# Allegro board RK3588S_Template_LP5D315P232SD10H2_42x42_2750MHz_1R2_V10_20220413YWQ.brd (continued)
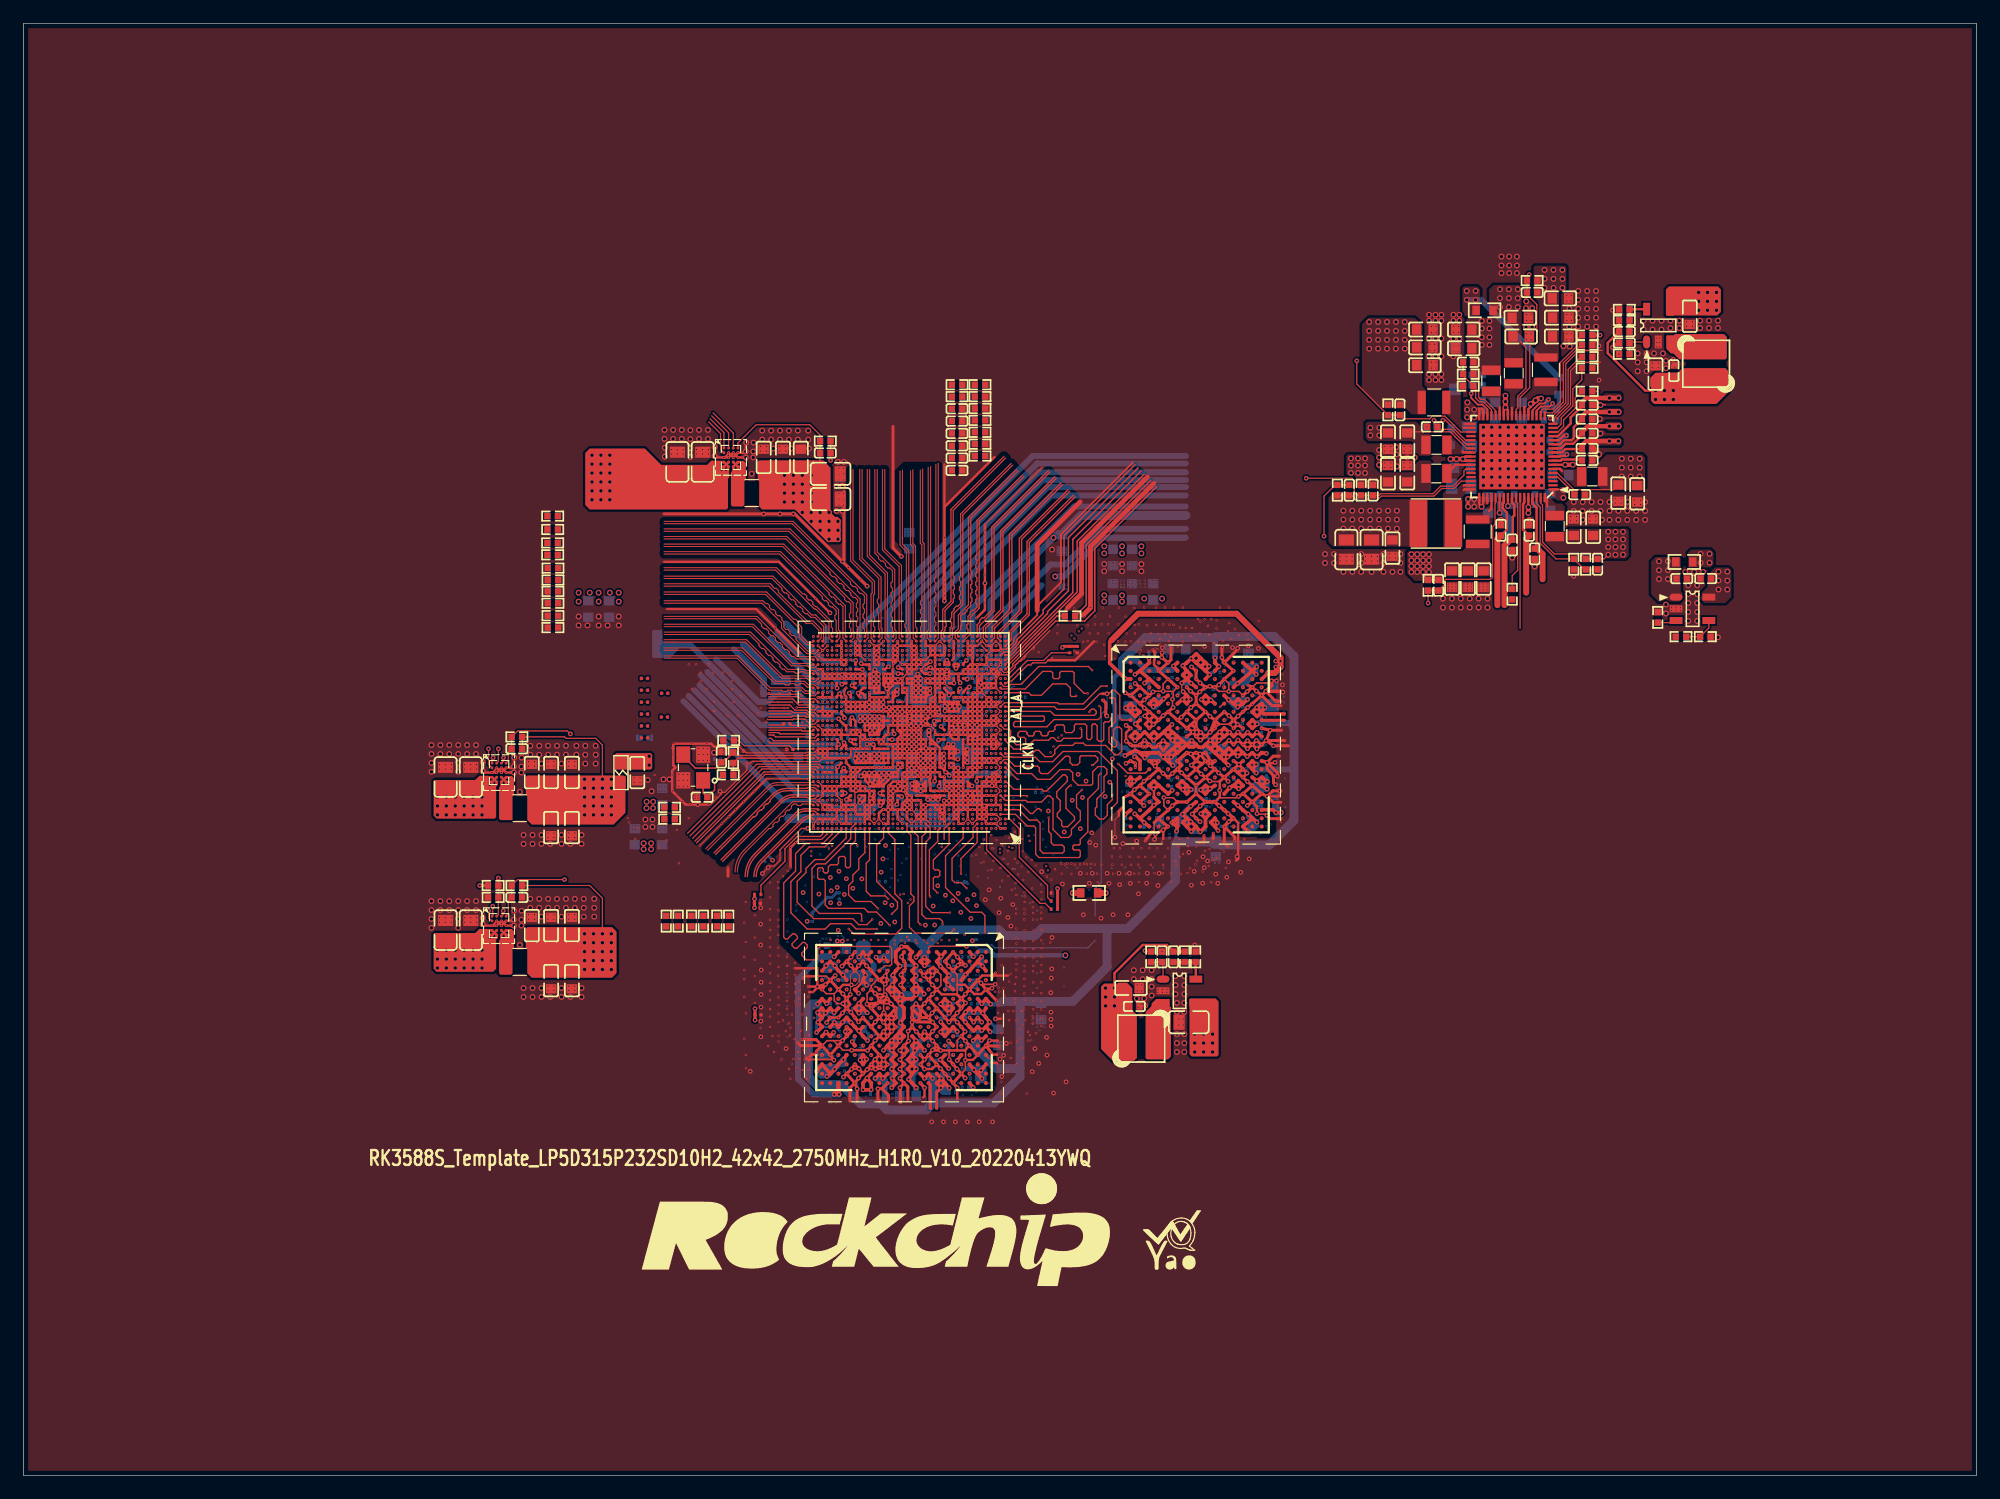
[diagram p0: board, top side]
## Routing (per net, layer and track width the routed paths; a pad name or vN(x,y) marks a point on that pad's centre or on a via; arc(x,y) is an arc through that point) (continued)
v5(75.69,80.26) v5(75.69,65.28) v5(75.69,60.76) v5(75.67,57.76) v5(75.69,56.52) v5(75.69,53.72) v5(75.82,57.53) v5(75.82,56.77) v5(75.95,80.77) v5(75.95,80.52) v5(75.95,80.26) v5(76,63.6) v5(75.95,57.15) v5(76.07,65.28) v5(76.1,64.67) v5(76.07,64.31) v5(76.07,57.66) v5(76.07,54.86) v5(76.2,63.6) v5(76.15,60.75) v5(76.2,57.4) v5(76.2,56.72) v5(76.2,56.46) v5(76.2,54.36) v5(76.28,57.05) v5(76.35,61.77) v5(76.35,61.44) v5(76.4,59.72) v5(76.38,57.71) v5(76.45,64.31) v5(76.45,57.4) v5(76.45,56.72) v5(76.45,56.46) v5(76.56,63.53) v5(76.61,62.87) v5(76.58,62.59) v5(76.69,65.42) v5(76.66,64.89) v5(76.71,57.15) v5(76.71,52.7) v5(76.83,65.13) v5(76.94,62.38) v5(76.91,61.87) v5(76.94,60.17) v5(76.99,60.58) v5(77.09,53.72) v5(77.22,60.07) v5(77.29,65.59) v5(77.32,64.64) v5(77.3,64.21) v5(77.34,54.48) v5(77.47,59.82) v5(77.6,65.66) v5(77.72,54.99) v5(77.8,68.12) v5(77.8,67.87) v5(77.83,60.76) v5(77.9,69.26) v5(77.94,65.07) v5(77.85,53.09) v5(77.98,70.1) v5(77.98,65.46) v5(78.05,69.74) v5(78.05,68.02) v5(78.23,69.34) v5(78.23,68.33) v5(78.31,68.02) v5(78.36,68.96) v5(78.38,68.66) v5(78.46,66.37) v5(78.49,53.98) v5(78.56,68.38) v5(78.58,57.23) v5(78.61,53.47) v5(78.69,69.14) v5(78.84,57.3) v5(78.87,56.77) v5(78.87,56.52) v5(78.99,57.02) v5(79.03,34.3) v5(79.04,65.02) v5(79.04,64.63) v5(79.12,54.86) v5(79.12,53.47) v5(79.25,64.41) v5(79.25,63.75) v5(79.25,57.28) v5(79.38,58.8) v5(79.5,64.64) v5(79.5,57.53) v5(79.5,34.54) v5(79.63,32.75) v5(79.71,64.52) v5(79.76,63.7) v5(79.76,54.23) v5(79.88,68.07) v5(79.88,63.5) v5(79.88,52.96) v5(79.88,33.53) v5(80.01,53.85) v5(80.01,52.07) v5(80.06,69.55) v5(80.06,69.29) v5(80.14,58.8) v5(80.2,33.18) v5(80.26,63.83) v5(80.26,63.5) v5(80.37,69.19) v5(80.39,63.25) v5(80.52,63.75) v5(80.52,51.31) v5(80.59,62.91) v5(80.64,63.5) v5(80.77,64.01) v5(80.9,63.75) v5(80.92,33.94) v5(80.9,33.66) v5(81.03,63.37) v5(81.03,57.91) v5(81.03,52.96) v5(81.13,58.32) v5(81.31,67.26) v5(81.28,63.88) v5(81.28,63.63) v5(81.28,63.37) v5(81.31,62.53) v5(81.41,32.77) v5(81.53,51.18) v5(81.64,62.53) v5(81.66,63.88) v5(81.66,63.5) v5(81.66,62.99) v5(81.79,52.32) v5(81.91,63.12) v5(81.86,62.53) v5(82.04,63.88) v5(82.04,63.5) v5(82.04,62.87) v5(82.06,61.01) v5(82.17,64.52) v5(82.17,62.61) v5(82.17,32.89) v5(82.3,64.24) v5(82.3,63.88) v5(82.3,63.5) v5(82.3,63.12) v5(82.3,61.21) v5(82.3,60.96) v5(82.3,59.18) v5(82.42,62.87) v5(82.42,62.36) v5(82.42,62.1) v5(82.42,51.69) v5(82.42,51.05) v5(82.5,64.44) v5(82.55,64.24) v5(82.55,63.88) v5(82.55,63.5) v5(82.55,33.53) v5(82.68,63.12) v5(82.68,59.31) v5(82.8,64.52) v5(82.8,64.24) v5(82.8,63.88) v5(82.8,63.5) v5(82.8,57.15) v5(82.93,62.87) v5(82.93,56.13) v5(83.06,63.12) v5(83.06,33.15) v5(83.18,62.61) v5(83.18,61.09) v5(83.18,60.83) v5(83.18,55.5) v5(83.31,63.37) v5(83.4,62.99) v5(83.44,50.29) v5(83.57,62.61) v5(83.57,33.66) v5(83.82,57.78) v5(84.58,57.91) v5(84.58,57.02) v5(85.04,66.51) v5(84.96,66.04) v5(85.22,58.8) v5(85.22,56.26) v5(85.34,57.66) v5(86.23,38.62) v5(86.49,57.15) v5(86.49,56.13) v5(86.61,58.8) v5(86.61,38.35) v5(86.73,39.18) v5(86.71,38.81) v5(86.82,38.07) v5(87.02,58.38) v5(86.99,39.18) v5(86.96,38.81) v5(87.12,55.88) v5(87.12,55.24) v5(87.12,54.36) v5(87.12,45.47) v5(87.24,39.18) v5(87.21,38.81) v5(87.24,38.36) v5(87.25,58.04) v5(87.5,58.8) v5(87.63,58.42) v5(87.63,57.53) v5(88.9,43.43) v5(88.9,41.78) v5(91.06,50.04) v5(101.67,53.12) v5(101.67,52.87) v5(101.67,52.61) v5(101.8,52.36) v5(102.04,53.09) v5(102.04,52.84) v5(102.04,52.59) v5(102.17,52.33) v5(102.49,70.48) v5(102.87,70.99) v5(104.39,70.48) v5(104.65,70.48) v5(104.9,70.48) v5(105.7,57.05) v5(105.66,54.86) v5(105.93,57) v5(106.12,67.59) v5(106.17,55.5) v5(106.55,67.56) v5(106.55,67.06) v5(106.55,55.63) v5(106.81,67.56) v5(106.81,67.06) v5(107.06,67.56) v5(107.06,67.06) v5(107.19,56.01) v5(107.7,66.55) v5(107.7,66.04) v5(107.7,65.28) v5(107.82,59.56) v5(107.82,57.15) v5(123.75,94.05) v6(65.02,67.31) v6(65.66,67.06) v6(65.79,67.56) v6(65.79,65.79) v6(66.17,67.06) v6(66.29,67.56) v6(66.42,67.31) v6(66.42,65.91) v6(66.42,65.66) v6(66.42,56.13) v6(66.67,67.56) v6(66.67,65.91) v6(66.67,65.66) v6(66.8,67.31) v6(67.06,67.56) v6(67.06,56.64) v6(67.18,67.31) v6(67.44,65.91) v6(67.44,65.66) v6(67.94,67.56) v6(67.94,67.31) v6(67.94,56.13) v6(68.2,67.56) v6(68.33,65.91) v6(68.45,67.44) v6(68.45,65.66) v6(68.83,62.74) v6(68.83,62.48) v6(68.83,55.75) v6(68.96,67.56) v6(68.96,67.31) v6(69.09,62.74) v6(69.09,57.02) v6(69.47,57.15) v6(69.47,55.88) v6(69.72,55.88) v6(69.85,56.64) v6(70.1,63.25) v6(70.1,57.28) v6(70.23,63.96) v6(70.23,56.64) v6(70.23,56.26) v6(70.48,63.25) v6(70.48,57.28) v6(70.48,56.26) v6(70.87,60.07) v6(70.87,56.26) v6(71.12,60.07) v6(71.25,65.63) v6(71.5,67.97) v6(71.5,65.53) v6(71.5,62.74) v6(71.5,60.33) v6(71.5,56.77) v6(71.75,68.33) v6(71.75,68.07) v6(71.75,67.82) v6(71.88,56.9) v6(71.96,65.81) v6(72.01,57.28) v6(72.11,67.18) v6(72.14,66.8) v6(72.14,66.55) v6(72.14,62.92) v6(72.16,65.25) v6(72.26,67.94) v6(72.26,57.02) v6(72.42,66.55) v6(72.52,66.83) v6(72.54,62.92) v6(72.64,66.29) v6(72.64,57.66) v6(72.67,57.28) v6(72.8,69.62) v6(72.77,66.8) v6(72.77,56.9) v6(73.02,69.57) v6(73,69.34) v6(73.15,66.83) v6(73.15,66.62) v6(73.15,63.63) v6(73.28,69.6) v6(73.28,69.34) v6(73.41,66.8) v6(73.38,66.57) v6(73.38,60.43) v6(73.53,56.77) v6(73.61,68.43) v6(73.66,68.71) v6(73.66,58.8) v6(73.76,64.92) v6(73.79,60.43) v6(73.94,61.09) v6(74.04,66.93) v6(74.04,60.45) v6(74.04,59.18) v6(74.17,68.58) v6(74.14,67.69) v6(74.14,64.92) v6(74.19,61.09) v6(74.29,68.76) v6(74.32,63.88) v6(74.32,61.87) v6(74.32,61.49) v6(74.42,62.36) v6(74.42,60.2) v6(74.42,59.94) v6(74.42,59.56) v6(74.43,56.64) v6(74.55,61.34) v6(74.68,62.74) v6(74.68,59.82) v6(74.93,62.48) v6(74.93,56.64) v6(75.06,56.39) v6(75.18,61.9) v6(75.44,65.91) v6(75.44,58.29) v6(75.62,58.04) v6(75.69,65.66) v6(75.82,65.91) v6(76.07,56.01) v6(76.3,65.84) v6(76.35,66.12) v6(76.45,56.13) v6(76.61,65.81) v6(76.58,55.88) v6(76.73,65.99) v6(76.71,59.56) v6(76.83,59.31) v6(76.89,68.63) v6(76.99,68.4) v6(76.99,65.99) v6(77.11,68.76) v6(77.09,59.44) v6(77.09,59.05) v6(77.09,58.17) v6(77.24,66.24) v6(77.24,65.99) v6(77.34,62.74) v6(77.34,59.31) v6(77.34,58.93) v6(77.5,66.24) v6(77.5,65.96) v6(77.6,57.02) v6(77.75,66.5) v6(77.75,66.19) v6(77.75,65.99) v6(77.98,57.28) v6(78.36,64.52) v6(78.99,55.88) v6(79.88,57.4) v6(79.88,55.88) v6(80.26,62.87) v6(81.28,62.23) v6(81.41,61.85) v6(81.41,60.45) v6(81.66,61.09) v6(81.79,62.23) v6(81.79,61.72) v6(83.18,55.88) v6(83.44,60.65) v6(100.89,64.73) v6(100.99,64.95) v6(102.01,64.43) v6(104.01,56.17) v6(104.09,56.75) v6(105.7,51.35) v7(57.1,67.21) v7(57.86,67.87) v7(58.37,67.21) v7(59,66.09) v7(59,65.33) v7(60.15,64.95) v7(60.53,67.87) v7(60.53,67.21) v7(60.66,66.09) v7(61.04,64.95) v7(61.59,47.24) v7(61.59,44.32) v7(61.59,43.18) v7(61.59,42.42) v7(61.59,40.89) v7(61.59,37.34) v7(61.72,49.02) v7(61.72,45.59) v7(61.72,39.5) v7(61.72,35.94) v7(61.72,34.8) v7(65.23,62.05) v7(68.28,36.71) v7(69.64,36.72) v7(72.69,62.9) v7(73.49,69.7) v7(81.49,66.1) v7(81.89,71.33) v7(82.68,67.31) v7(83.09,69.7) v7(84.63,56.05) v7(85.09,55.75) v7(86.74,70.36) v7(95.16,41.93) v7(95.16,41.42) v7(95.23,40.01) v7(95.5,40.28) v7(95.54,41.93) v7(95.54,41.42) v7(96.94,41.55) v7(96.94,41.29) v7(96.96,56.17) v7(97.28,44.77) v7(97.32,41.55) v7(97.32,41.29) v7(97.7,41.55) v7(97.7,41.29) v7(98.72,39.01) v7(98.72,38.5) v7(99.1,39.01) v7(99.1,38.5) v7(112.5,78.53) v7(112.5,78.14) v7(113.01,78.53) v7(113.01,78.14) v7(113.52,78.53) v7(113.52,78.14) v7(114.66,78.53) v7(114.66,78.14) v7(115.17,78.53) v7(115.17,78.14) v7(115.68,78.53) v7(115.68,78.14) v7(116.31,87.92) v7(116.31,87.54) v7(116.31,86.53) v7(116.31,86.15) v7(116.7,78.78) v7(116.7,78.4) v7(116.82,87.92) v7(116.82,87.54) v7(116.82,86.53) v7(116.82,86.15) v7(117.2,78.78) v7(117.2,78.4) v7(117.97,87.92) v7(117.97,87.54) v7(117.97,86.53) v7(117.97,86.15) v7(118.47,87.92) v7(118.47,87.54) v7(118.47,86.53) v7(118.47,86.15) v7(121.75,76.18) v7(121.75,75.93) v7(121.75,75.67) v7(122.06,76.18) v7(122.06,75.93) v7(122.06,75.67) v7(122.39,76.18) v7(122.39,75.93) v7(122.39,75.67) v7(123.07,76.18) v7(123.07,75.93) v7(123.07,75.67) v7(123.38,76.18) v7(123.38,75.93) v7(123.38,75.67) v7(123.71,76.18) v7(123.71,75.93) v7(123.71,75.67) v7(124.42,76.18) v7(124.42,75.93) v7(124.42,75.67) v7(124.73,76.18) v7(124.73,75.93) v7(124.73,75.67) v7(125.06,76.18) v7(125.06,75.93) v7(125.06,75.67) v8(51.31,59.61) v8(56.64,54.36) v8(57.23,65.33) v8(57.23,64.57) v8(57.35,68.63) v8(57.48,67.61) v8(57.48,66.98) v8(57.66,53.19) v8(57.78,56.26) v8(57.91,55.5) v8(58.04,56.26) v8(58.17,55.5) v8(58.29,52.7) v8(58.42,53.85) v8(58.5,65.33) v8(58.5,64.57) v8(58.62,67.61) v8(59.13,73.84) v8(59.13,66.98) v8(59.39,64.57) v8(59.44,57.15) v8(59.64,69.39) v8(59.89,67.61) v8(59.89,65.33) v8(60.45,57.4) v8(60.58,62.48) v8(60.58,58.29) v8(60.71,68.58) v8(60.78,53.52) v8(60.83,52.7) v8(60.83,51.18) v8(61.04,77.9) v8(60.96,57.91) v8(61.32,67.31) v8(61.47,59.18) v8(61.72,58.67) v8(61.93,74.73) v8(61.95,66.67) v8(62.05,76.89) v8(62.31,68.12) v8(62.43,78.41) v8(62.43,73.71) v8(62.48,59.44) v8(62.61,60.33) v8(62.74,61.59) v8(62.81,78.79) v8(62.94,67.36) v8(63.12,66.55) v8(63.37,60.33) v8(63.45,77.39) v8(63.75,59.82) v8(63.96,77.77) v8(64.13,60.2) v8(64.52,60.58) v8(64.59,76.25) v8(64.85,76.76) v8(65.24,45.52) v8(65.28,49.78) v8(65.26,48.4) v8(65.25,46.66) v8(65.74,76) v8(65.8,81.01) v8(66.12,74.73) v8(66.88,74.73) v8(67.1,34.4) v8(67.18,55.63) v8(67.77,73.08) v8(67.89,74.6) v8(67.89,73.71) v8(67.94,71.25) v8(68.2,55.35) v8(68.58,75.06) v8(68.71,72.14) v8(68.78,72.82) v8(68.97,77.84) v8(68.96,71.88) v8(69.09,75.56) v8(69.21,73.53) v8(69.32,63.5) v8(69.72,60.96) v8(69.85,63.25) v8(69.98,60.96) v8(70.08,59.49) v8(70.13,59.08) v8(70.23,64.26) v8(70.23,63.12) v8(70.23,42.32) v8(70.48,65.91) v8(70.46,63.7) v8(70.46,63.37) v8(70.48,60.71) v8(70.48,59.89) v8(70.51,59.51) v8(70.48,59.11) v8(70.74,64.26) v8(70.89,72.69) v8(70.89,64.08) v8(70.87,62.36) v8(70.89,60.33) v8(70.89,59.89) v8(70.89,59.49) v8(70.87,59.11) v8(70.89,57.1) v8(70.97,63.37) v8(71.12,72.69) v8(71.12,69.09) v8(71.12,68.83) v8(71.12,63.12) v8(71.12,42.8) v8(71.25,67.82) v8(71.25,65.51) v8(71.25,62.74) v8(71.27,59.11) v8(71.35,63.98) v8(71.37,60.2) v8(71.63,64.01) v8(71.63,63.12) v8(71.63,62.74) v8(71.62,58.72) v8(71.68,60.43) v8(71.75,67.94) v8(71.75,63.63) v8(71.83,59.31) v8(72.01,59.56) v8(72.14,78.36) v8(72.09,78.03) v8(72.14,76.58) v8(72.14,76.33) v8(72.14,69.22) v8(72.06,68.71) v8(72.14,67.94) v8(72.14,63.12) v8(72.11,57.12) v8(72.16,67.06) v8(72.26,68.96) v8(72.29,68.76) v8(72.29,66.7) v8(72.39,69.22) v8(72.52,69.47) v8(72.47,58.29) v8(72.59,66.73) v8(72.77,63.25) v8(72.9,69.85) v8(72.9,69.47) v8(72.85,65.56) v8(72.9,58.67) v8(72.87,57.91) v8(72.95,66.75) v8(72.97,66.32) v8(73.05,63.22) v8(73.09,57.7) v8(73.15,69.47) v8(73.28,66.78) v8(73.3,66.34) v8(73.28,63.63) v8(73.28,63.37) v8(73.53,68.71) v8(73.53,63.63) v8(73.53,63.37) v8(73.63,66.75) v8(73.58,57.43) v8(73.91,68.71) v8(73.91,67.56) v8(73.89,66.1) v8(74.12,67.3) v8(74.09,65.05) v8(74.07,61.09) v8(74.07,58.67) v8(74.17,66.67) v8(74.29,66.1) v8(74.42,59.69) v8(74.47,65.53) v8(74.45,63.88) v8(74.47,61.88) v8(74.52,61.57) v8(74.5,58.72) v8(74.57,58.24) v8(74.7,67.67) v8(74.93,80.01) v8(74.9,65.53) v8(74.93,64.26) v8(74.94,61.89) v8(75.13,68.49) v8(75.18,68.83) v8(75.29,67.92) v8(75.29,65.86) v8(75.31,65.51) v8(75.39,67.69) v8(75.39,67.49) v8(75.44,48.62) v8(75.56,68.12) v8(75.69,57.56) v8(75.82,68.12) v8(75.89,71.73) v8(76.05,69.49) v8(76.07,68.71) v8(76.1,51.91) v8(76.07,43.18) v8(76.33,66.42) v8(76.38,65.99) v8(76.45,69.09) v8(76.49,59.48) v8(76.61,66.01) v8(76.71,82.3) v8(76.81,68.5) v8(76.81,64.69) v8(76.89,65.89) v8(76.94,59.51) v8(76.99,68.73) v8(77.04,68.48) v8(76.96,63.86) v8(76.99,60.3) v8(77.09,69.34) v8(77.06,66.14) v8(77.27,66.12) v8(77.27,65.85) v8(77.27,65.58) v8(77.27,61.14) v8(77.3,59.5) v8(77.27,59.16) v8(77.49,62.5) v8(77.48,57.27) v8(77.72,66.32) v8(77.68,65.88) v8(77.7,65.58) v8(77.72,62.87) v8(77.67,58.7) v8(77.7,58.27) v8(77.67,44.83) v8(77.89,62.5) v8(78.09,65.88) v8(78.09,65.51) v8(78.14,59.91) v8(78.08,58.27) v8(78.23,61.98) v8(78.28,59.33) v8(78.36,66.04) v8(78.36,62.36) v8(78.49,67.87) v8(78.49,66.93) v8(78.49,66.67) v8(78.49,63.5) v8(78.59,66.37) v8(78.69,67.3) v8(78.69,58.1) v8(78.74,44.96) v8(78.89,64.72) v8(78.87,64.29) v8(78.87,63.75) v8(78.87,63.47) v8(78.85,59.5) v8(78.9,58.79) v8(78.92,58.31) v8(78.99,67.56) v8(78.99,66.17) v8(79.1,63.31) v8(79.12,58.06) v8(79.25,69.22) v8(79.27,64.69) v8(79.5,68.2) v8(79.5,67.06) v8(79.63,83.44) v8(79.63,81.91) v8(79.63,80.01) v8(79.63,78.74) v8(79.63,77.22) v8(79.63,76.2) v8(79.63,75.31) v8(79.63,74.42) v8(79.63,66.17) v8(79.71,66.73) v8(79.68,64.69) v8(79.71,63.5) v8(79.88,69.47) v8(80.01,65.15) v8(80.09,69.16) v8(80.09,66.75) v8(80.09,64.69) v8(80.09,63.5) v8(80.17,63.04) v8(80.3,58.08) v8(80.39,67.56) v8(80.48,65.89) v8(80.47,65.52) v8(80.49,64.69) v8(80.49,63.5) v8(80.49,63.07) v8(80.59,69.19) v8(80.64,59.18) v8(80.9,89.03) v8(80.9,88.77) v8(80.9,88.14) v8(80.9,87.12) v8(80.9,80.64) v8(80.9,78.11) v8(80.9,77.34) v8(80.9,76.33) v8(80.9,74.8) v8(80.89,65.89) v8(80.9,65.48) v8(80.89,65.1) v8(80.9,64.69) v8(80.9,63.5) v8(80.9,59.44) v8(81.08,58.17) v8(81.29,65.89) v8(81.28,65.51) v8(81.3,65.1) v8(81.34,64.51) v8(81.31,62.29) v8(81.61,64.64) v8(81.7,65.82) v8(81.71,65.48) v8(81.68,65.09) v8(81.66,62.74) v8(81.91,59.56) v8(82.04,65.1) v8(82.12,73.96) v8(82.05,61.21) v8(82.3,79.12) v8(82.42,80.39) v8(82.55,79.12) v8(82.55,78.61) v8(82.68,80.39) v8(82.8,79.12) v8(82.93,80.01) v8(82.93,79.63) v8(82.93,79.38) v8(83.01,73.33) v8(83.06,80.39) v8(83.06,79.12) v8(83.26,81.58) v8(83.26,80.44) v8(83.31,77.72) v8(83.31,77.34) v8(83.39,88.82) v8(83.39,87.05) v8(83.39,85.27) v8(83.39,83.49) v8(83.44,76.96) v8(83.69,76.96) v8(83.64,54.79) v8(83.77,78.28) v8(83.92,54.51) v8(83.97,77.85) v8(83.97,77.47) v8(83.95,77.09) v8(84.15,72.82) v8(84.2,72.52) v8(84.19,55.79) v8(84.28,78.28) v8(84.33,77.09) v8(84.28,75.62) v8(84.28,74.85) v8(84.33,68.33) v8(84.53,88.44) v8(84.53,86.66) v8(84.53,84.89) v8(84.53,82.85) v8(84.53,81.33) v8(84.53,80.44) v8(84.45,79.12) v8(84.84,80.39) v8(84.84,79.12) v8(84.89,80.01) v8(84.89,79.63) v8(85.04,73.58) v8(85.09,79.12) v8(85.22,80.39) v8(85.22,69.22) v8(85.47,77.09) v8(85.67,87.05) v8(85.67,80.95) v8(85.67,79.68) v8(85.72,78.23) v8(85.72,76.96) v8(85.67,74.6) v8(85.93,78.41) v8(85.95,77.85) v8(85.95,77.47) v8(85.98,77.09) v8(85.98,69.98) v8(86.23,78.23) v8(86.31,76.89) v8(86.31,74.6) v8(86.61,77.09) v8(86.61,70.61) v8(86.69,78.03) v8(86.74,77.72) v8(86.69,77.39) v8(87.33,80.31) v8(89.44,62.72) v8(89.91,53.3) v8(89.94,63.69) v8(90.79,63.72) v8(91.16,63.65) v8(94.36,62.48) v8(94.62,61.76) v8(95,59.98) v8(95.38,61.59) v8(95.71,69.63) v8(96.39,61.59) v8(102.98,54.4) v8(103.29,54.57) v8(103.72,69.33) v9(121.84,88.21) v9(121.84,87.91) v9(122.12,88.21) v9(122.12,87.91) v10(52.02,55.55) v10(52.02,55.17) v10(52.27,55.55) v10(52.27,55.17) v10(52.53,55.55) v10(52.53,55.17) v10(54.31,58.85) v10(54.31,58.47) v10(54.31,55.55) v10(54.31,55.17) v10(54.56,58.85) v10(54.56,58.47) v10(54.56,55.55) v10(54.56,55.17) v10(54.81,58.85) v10(54.81,58.47) v10(54.81,55.55) v10(54.81,55.17) v10(60.96,62.74) v10(61.34,62.36) v10(65.94,61.68) v10(65.93,61.37) v10(65.94,61.1) v10(66.19,61.68) v10(66.18,61.37) v10(66.19,61.1) v10(66.44,61.37) v10(66.45,61.68) v10(66.45,61.1) v10(67.39,47.34) v10(67.56,59.16) v10(67.56,58.91) v10(68.2,59.16) v10(68.2,58.91) v10(68.22,42.48) v10(68.14,36.22) v10(68.14,35.84) v10(68.33,38.97) v10(68.4,36.22) v10(68.4,35.84) v10(68.51,66.34) v10(68.48,45.43) v10(68.48,45.17) v10(68.58,63.88) v10(68.58,63.63) v10(68.56,42.52) v10(68.65,36.22) v10(68.65,35.84) v10(68.83,64.01) v10(68.83,63.75) v10(68.83,63.5) v10(68.86,45.43) v10(68.86,45.17) v10(68.86,42.47) v10(69.09,63.5) v10(69.23,63.94) v10(69.39,42.39) v10(69.37,42.05) v10(69.49,85.64) v10(69.49,85.31) v10(69.49,84.98) v10(69.49,83.95) v10(69.49,83.62) v10(69.49,83.29) v10(69.47,63.5) v10(69.51,40.68) v10(69.51,40.33) v10(69.57,40.03) v10(69.72,59.04) v10(69.72,58.78) v10(69.77,85.64) v10(69.77,85.31) v10(69.77,84.98) v10(69.77,83.95) v10(69.77,83.62) v10(69.77,83.29) v10(69.84,45.02) v10(69.82,34.43) v10(69.88,44.62) v10(69.87,39.96) v10(69.94,36.33) v10(69.98,59.04) v10(69.98,58.78) v10(70.05,85.64) v10(70.05,85.31) v10(70.05,84.98) v10(70.05,83.95) v10(70.05,83.62) v10(70.05,83.29) v10(70.13,45.27) v10(70.13,45.01) v10(70.13,44.76) v10(70.15,34.57) v10(70.3,60.91) v10(70.25,39.82) v10(70.36,69.57) v10(70.4,40.31) v10(70.43,40.01) v10(70.38,39.52) v10(70.43,37.55) v10(70.42,34.35) v10(70.51,60.68) v10(70.52,45.27) v10(70.52,45.01) v10(70.52,44.76) v10(70.59,37.85) v10(70.88,33.38) v10(70.99,33.72) v10(71.22,59.31) v10(71.2,36.4) v10(71.5,36.77) v10(71.48,36.49) v10(71.84,36.56) v10(71.92,38.91) v10(72.01,70.23) v10(72.01,69.6) v10(72.01,63.12) v10(72.06,69.88) v10(72.24,57.58) v10(72.24,38.84) v10(72.42,63.19) v10(72.58,40.17) v10(72.73,42.06) v10(72.75,42.38) v10(72.82,40.38) v10(72.84,38.02) v10(72.77,37.77) v10(72.78,35.12) v10(72.9,42.67) v10(72.89,40.06) v10(73.13,56.69) v10(73.11,50.76) v10(73.08,37.56) v10(73.14,35.1) v10(73.15,34.8) v10(73.26,62.36) v10(73.3,43.35) v10(73.41,73.28) v10(73.4,35.18) v10(73.55,57.81) v10(73.55,43.33) v10(73.84,57.2) v10(73.91,56.26) v10(74.04,55.37) v10(73.96,43.31) v10(74.29,55.37) v10(74.42,70.1) v10(74.84,64.62) v10(74.75,35.15) v10(74.79,34.35) v10(75.01,35.95) v10(75.06,73.66) v10(75.11,70.49) v10(75.11,69.85) v10(75.08,35.16) v10(75.17,69) v10(75.18,68.71) v10(75.17,68.36) v10(75.17,67.85) v10(75.18,67.56) v10(75.29,64.73) v10(75.29,64.43) v10(75.29,64.12) v10(75.34,42.75) v10(75.3,36.54) v10(75.3,35.91) v10(75.31,35.52) v10(75.33,34.87) v10(75.34,34.62) v10(75.35,43.02) v10(75.37,42.38) v10(75.43,41.79) v10(75.35,36.25) v10(75.34,35.15) v10(75.37,34.33) v10(75.55,60.2) v10(75.55,59.89) v10(75.55,59.59) v10(75.55,44.49) v10(75.64,44.15) v10(75.57,42.07) v10(75.72,41.8) v10(75.86,59.59) v10(75.89,44.47) v10(75.86,40.6) v10(76.07,70.23) v10(76.07,69.85) v10(76.07,69.47) v10(76.13,40.61) v10(76.16,59.59) v10(76.17,39.78) v10(76.17,39.53) v10(76.17,39.27) v10(76.38,64.68) v10(76.45,73.91) v10(76.45,70.23) v10(76.45,69.85) v10(76.55,39.78) v10(76.55,39.53) v10(76.55,39.27) v10(76.74,42.22) v10(77.05,43.07) v10(77.05,42.25) v10(77.11,39.66) v10(77.3,37.53) v10(77.31,37.17) v10(77.29,36.88) v10(77.32,35.12) v10(77.36,43.01) v10(77.43,40.31) v10(77.35,34.85) v10(77.48,40.65) v10(77.45,39.87) v10(77.48,35.81) v10(77.6,70.1) v10(77.62,36.75) v10(77.72,43.09) v10(77.67,34.87) v10(77.8,60.55) v10(77.8,59.94) v10(77.91,39.27) v10(78.03,36.78) v10(78.01,34.92) v10(78.11,39.67) v10(78.38,39.63) v10(78.35,36.95) v10(78.55,36.7) v10(78.66,39.71) v10(78.72,36) v10(78.89,58.04) v10(78.9,43.92) v10(78.94,69.06) v10(79,44.25) v10(79.12,69.22) v10(79.05,36.04) v10(79.29,44.13) v10(79.32,35.87) v10(79.36,43.83) v10(79.43,38.83) v10(79.5,36.83) v10(79.55,66.34) v10(79.57,39.08) v10(79.68,58.12) v10(79.76,66.47) v10(79.76,66.24) v10(79.82,50.71) v10(79.78,37.03) v10(79.8,36.75) v10(79.88,60.02) v10(79.92,43.22) v10(79.85,39.13) v10(80.04,40.34) v10(80.03,40.05) v10(80.13,66.26) v10(80.06,40.66) v10(80.08,37.07) v10(80.19,44.38) v10(80.2,36.77) v10(80.22,36.43) v10(80.24,35.04) v10(80.22,34.75) v10(80.21,34.45) v10(80.26,60.2) v10(80.27,43.85) v10(80.42,64.52) v10(80.52,60.33) v10(80.52,36.35) v10(80.55,36.72) v10(80.74,66.26) v10(80.67,64.52) v10(80.7,37.5) v10(80.92,42.03) v10(80.92,41.77) v10(80.93,37.91) v10(80.98,43.58) v10(81,43.23) v10(81.01,42.23) v10(80.96,40.61) v10(80.97,40.32) v10(80.97,38.24) v10(81.08,69.37) v10(81.3,42.28) v10(81.3,42.03) v10(81.3,41.77) v10(81.45,38.38) v10(81.55,38.92) v10(81.54,38.69) v10(81.74,72.31) v10(81.74,70.54) v10(81.74,69.35) v10(82.68,61.72) v10(82.93,61.72) v10(83.02,36.91) v10(83.02,36.53) v10(83.06,65.66) v10(83.28,36.91) v10(83.28,36.53) v10(83.44,71.88) v10(83.39,71.55) v10(83.53,36.91) v10(83.53,36.53) v10(83.69,66.17) v10(83.82,59.18) v10(83.82,58.04) v10(84.07,61.59) v10(84.07,60.71) v10(84.45,78.23) v10(86.49,80.39) v10(88.39,79.27) v10(88.39,78.99) v10(88.39,78.71) v10(88.6,76.12) v10(88.6,75.74) v10(88.72,79.27) v10(88.72,78.99) v10(88.72,78.71) v10(88.85,76.12) v10(88.85,75.74) v10(89.03,79.27) v10(89.03,78.99) v10(89.03,78.71) v10(89.1,76.12) v10(89.1,75.74) v10(92.76,78) v10(92.76,77.72) v10(92.76,77.44) v10(92.76,76.48) v10(92.76,76.2) v10(92.76,75.92) v10(92.92,61.64) v10(93.09,78) v10(93.09,77.72) v10(93.09,77.44) v10(93.09,76.48) v10(93.09,76.2) v10(93.09,75.92) v10(93.14,61.94) v10(93.23,61.61) v10(93.42,78) v10(93.42,77.72) v10(93.42,77.44) v10(93.42,76.48) v10(93.42,76.2) v10(93.42,75.92) v10(93.78,76.48) v10(93.78,76.2) v10(93.78,75.92) v10(93.88,58.43) v10(94.03,76.48) v10(94.03,76.2) v10(94.03,75.92) v10(94.22,63.5) v10(94.19,55.58) v10(94.24,55.28) v10(94.33,58.42) v10(94.41,78) v10(94.41,77.72) v10(94.41,77.44) v10(94.41,76.48) v10(94.41,76.2) v10(94.41,75.92) v10(94.54,66.6) v10(94.49,55.56) v10(94.57,67.61) v10(94.67,66.92) v10(94.74,78) v10(94.74,77.72) v10(94.74,77.44) v10(94.74,76.48) v10(94.74,76.2) v10(94.74,75.92) v10(94.78,67.31) v10(94.85,63.64) v10(94.94,62.31) v10(94.97,66.62) v10(95.07,78) v10(95.07,77.72) v10(95.07,77.44) v10(95.07,76.48) v10(95.07,76.2) v10(95.07,75.92) v10(95.2,63.65) v10(95.17,58.24) v10(95.43,76.48) v10(95.43,76.2) v10(95.43,75.92) v10(95.44,64.78) v10(95.37,62.26) v10(95.51,64.5) v10(95.5,63.64) v10(95.5,57.62) v10(95.61,62.43) v10(95.58,58.7) v10(95.64,58.34) v10(95.74,54.85) v10(95.81,76.48) v10(95.81,76.2) v10(95.81,75.92) v10(95.76,67.09) v10(95.76,66.77) v10(95.81,58.01) v10(95.84,57.65) v10(95.87,61.93) v10(95.86,54.45) v10(95.95,65.97) v10(95.95,62.35) v10(96.19,76.48) v10(96.19,76.2) v10(96.19,75.92) v10(96.16,67.11) v10(96.18,66.59) v10(96.24,66.22) v10(96.15,54.93) v10(96.35,63.46) v10(96.52,76.48) v10(96.52,76.2) v10(96.52,75.92) v10(96.59,68.19) v10(96.74,70.68) v10(96.72,70.28) v10(96.7,69.87) v10(96.85,76.48) v10(96.85,76.2) v10(96.85,75.92) v10(96.91,56.17) v10(96.91,55.92) v10(96.91,55.67) v10(96.99,60.36) v10(97.15,68.11) v10(97.29,56.17) v10(97.29,55.92) v10(97.29,55.67) v10(97.36,60.48) v10(97.52,63.72) v10(97.66,70.52) v10(97.66,70.26) v10(97.67,54.44) v10(97.75,70.78) v10(97.79,68.14) v10(97.83,59.62) v10(97.93,67.08) v10(97.91,54.81) v10(97.94,54.5) v10(98.12,70.92) v10(98.12,70.68) v10(98.13,70.27) v10(98.08,59.43) v10(98.14,68.18) v10(98.15,67.88) v10(98.24,67.23) v10(98.17,66.84) v10(98.34,59.59) v10(98.69,63.56) v10(98.82,59.43) v10(98.94,63.87) v10(99.03,60.99) v10(99.03,60.73) v10(99.24,61.17) v10(99.19,59.43) v10(99.32,63.56) v10(99.36,63.87) v10(99.7,68.67) v10(99.69,68.29) v10(99.8,59.28) v10(99.96,68.28) v10(100.17,59.25) v10(100.23,55.79) v10(100.26,69.12) v10(100.26,68.83) v10(100.33,59.56) v10(100.28,55.47) v10(100.57,59.27) v10(100.82,64.03) v10(100.93,67.4) v10(100.91,62.34) v10(100.91,62.09) v10(100.91,61.83) v10(100.93,56.01) v10(100.96,67.12) v10(101.04,63.7) v10(100.99,55.72) v10(101.08,57.46) v10(101.05,57.17) v10(101.16,64.13) v10(101.29,62.34) v10(101.29,62.09) v10(101.29,61.83) v10(101.3,55.95) v10(101.36,57.79) v10(101.34,57.14) v10(101.45,60.19) v10(101.57,57.33) v10(101.65,67.16) v10(101.7,57.72) v10(101.76,64.6) v10(101.78,60.21) v10(101.91,60.52) v10(101.97,67.14) v10(102.04,64.64) v10(102.04,57.72) v10(102.23,68.63) v10(102.23,60.42) v10(102.28,68.28) v10(102.42,69.55) v10(102.54,67.69) v10(102.57,68) v10(102.55,67.23) v10(102.73,69.57) v10(102.68,69.18) v10(102.85,55.5) v10(103.01,59.7) v10(103.17,55.46) v10(103.43,59.47) v10(103.43,55) v10(103.46,62.49) v10(103.74,60.36) v10(103.7,55.38) v10(103.71,55.06) v10(103.78,62.38) v10(103.81,60.02) v10(103.79,59.48) v10(103.9,55.98) v10(103.97,55.77) v10(104.14,64.26) v10(104.11,62.47) v10(104.1,60.12) v10(104.2,65.65) v10(104.24,65.32) v10(104.22,60.42) v10(104.3,64.69) v10(104.27,55.81) v10(104.42,70.1) v10(104.54,60.4) v10(104.67,70.1) v10(104.66,65.15) v10(104.72,60.6) v10(104.93,70.1) v10(105,65.17) v10(105.1,57.59) v10(105.1,57.34) v10(105.1,57.08) v10(105.25,66.63) v10(105.42,62.41) v10(105.48,64.86) v10(105.48,57.59) v10(105.48,57.34) v10(105.48,57.08) v10(105.73,67.2) v10(105.81,66.82) v10(105.76,64.83) v10(105.76,62.95) v10(105.76,62.38) v10(106.12,62.42) v10(106.15,64.85) v10(106.76,59.79) v10(106.77,58.14) v10(106.77,57.89) v10(106.85,59.46) v10(107.23,68.58) v10(107.15,58.14) v10(107.15,57.89) v10(112.19,83.74) v10(112.19,83.49) v10(112.19,83.24) v10(112.57,83.74) v10(112.57,83.49) v10(112.57,83.24) v10(123.11,88.21) v10(123.11,87.91) v10(123.11,87.58) v10(123.39,88.21) v10(123.39,87.91) v10(123.39,87.58) v10(123.37,86.44) v10(123.37,86.13) v10(123.37,85.8) v10(123.37,84.94) v10(123.37,84.68) v10(123.37,84.4) v10(123.37,84.12) v10(123.67,88.21) v10(123.67,87.91) v10(123.67,87.58) v10(123.65,86.44) v10(123.65,86.13) v10(123.65,85.8) v10(123.67,84.94) v10(123.67,84.68) v10(123.67,84.4) v10(123.67,84.12) v10(123.93,88.21) v10(123.93,87.91) v10(123.93,87.58) v10(123.93,86.44) v10(123.93,86.13) v10(123.93,85.8) v10(124,84.94) v10(124,84.68) v10(124,84.4) v10(124,84.12) v10(124.84,83.92) v10(124.84,83.64) v10(124.84,83.36) v10(125.17,83.92) v10(125.17,83.64) v10(125.17,83.36) v10(125.43,90.58) v10(125.43,90.3) v10(125.43,90.02) v10(125.48,83.92) v10(125.48,83.64) v10(125.48,83.36) v10(125.76,90.58) v10(125.76,90.3) v10(125.76,90.02) v10(126.06,90.58) v10(126.06,90.3) v10(126.06,90.02) v10(127.71,90.58) v10(127.71,90.3) v10(127.71,90.02) v10(128.04,90.58) v10(128.04,90.3) v10(128.04,90.02) v10(128.35,90.58) v10(128.35,90.3) v10(128.35,90.02) v10(130.1,84.15) v10(130.1,83.87) v10(130.1,83.59) v10(130.33,85.78) v10(130.33,85.45) v10(130.33,85.14) v10(130.4,84.15) v10(130.4,83.87) v10(130.4,83.59) v10(130.61,85.78) v10(130.61,85.45) v10(130.61,85.14) v10(130.73,84.15) v10(130.73,83.87) v10(130.73,83.59) v10(130.89,85.78) v10(130.89,85.45) v10(130.89,85.14)
